# Altium PCB board.PcbDoc
Units mil, origin at the board's own origin, x right, y up, seen from the top; angles counter-clockwise.
Board outline 5505 x 4697 mil, 2 copper layers (Top Layer, Bottom Layer); 75 components, 88 nets, 344 pads, 69 vias.
Unrouted connection lines stored in the file: 1.
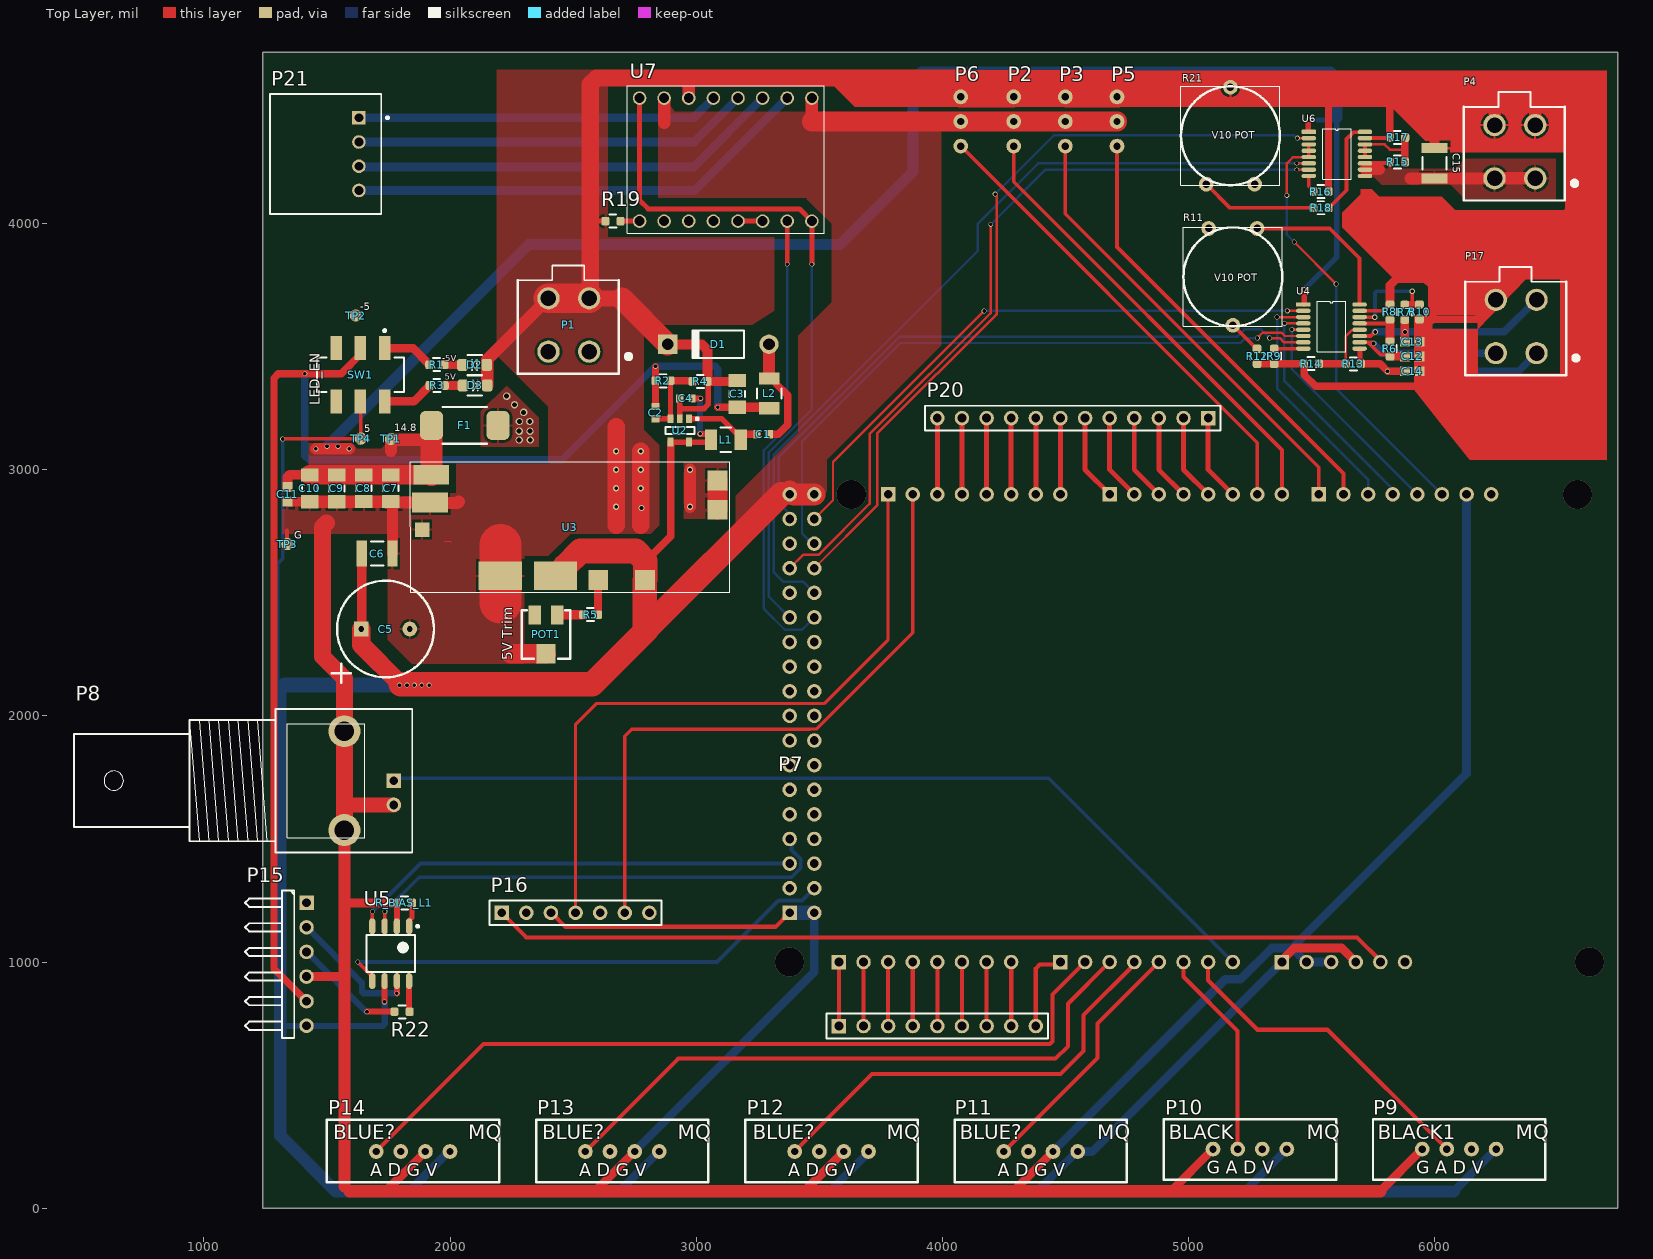
[diagram p0: Top Layer view]
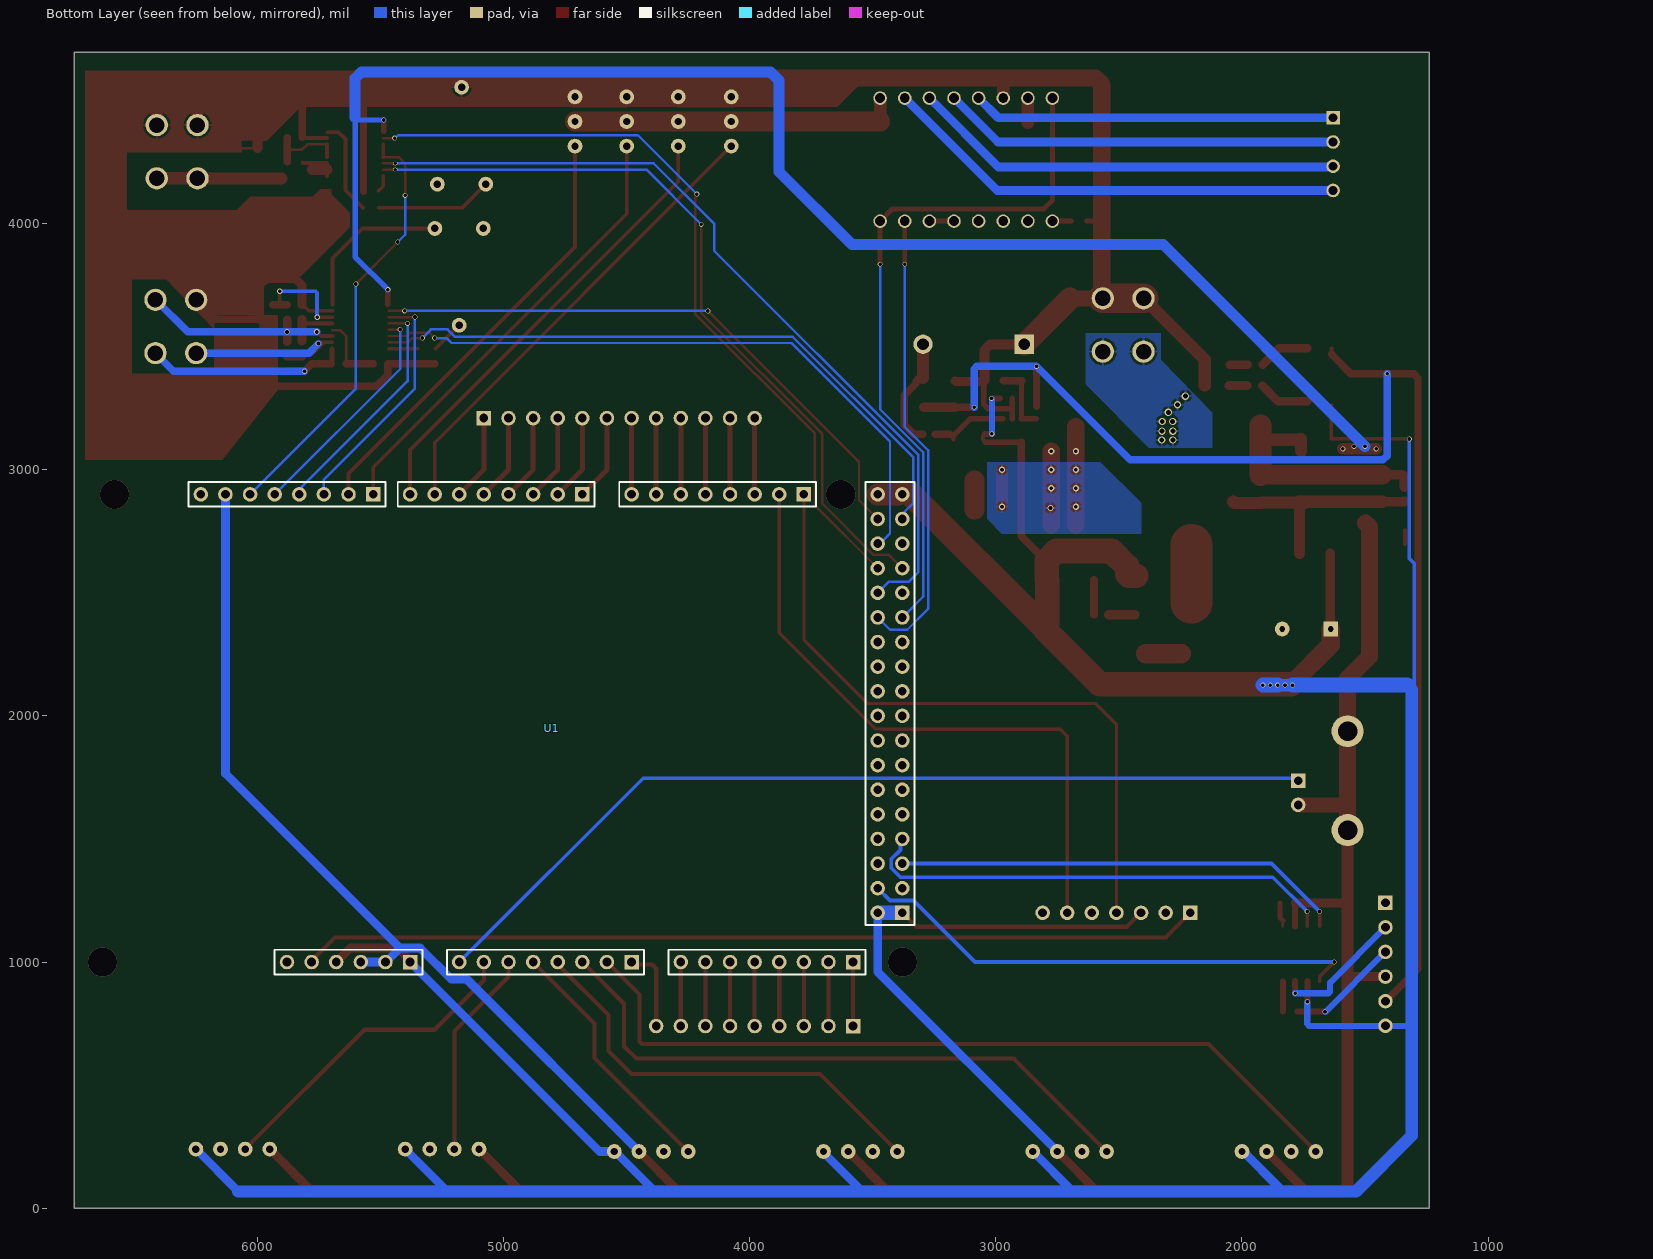
[diagram p1: Bottom Layer view, seen from below]

## Layer stack, top to bottom
Top Solder: solder mask 0.4, Solder Resist, Dk 3.5
Top Layer: signal copper 1.4
Dielectric 1: dielectric 12.6, FR-4, Dk 4.8
Bottom Layer: signal copper 1.4
Bottom Solder: solder mask 0.4, Solder Resist, Dk 3.5

## Board outline
1240,0 6745,0 6745,4697 1240,4697

## Design rules (kind name [scope] priority, off if disabled: settings)
Clearance Clearance_1 [(InComponent('U4') OR InComponent('U6'))] p1: gap=10 ignorepadtopadclearanceinfootprint=FALSE except(0: Arc-Hole Track-Hole SMDPad-Hole THPad-Hole Via-Hole Fill-Hole Poly-Hole Region-Hole Text-Hole; 8: SMDPad-SMDPad)
Clearance [All] p2: gap=10 ignorepadtopadclearanceinfootprint=FALSE except(0: Arc-Hole Track-Hole SMDPad-Hole THPad-Hole Via-Hole Fill-Hole Poly-Hole Region-Hole Text-Hole; 5: SMDPad-SMDPad)
PolygonConnect [All] p1: connectstyle=Relief reliefconductorwidth=10 reliefentries=4 polygonreliefangle="90 Angle" airgapwidth=10
RoomDefinition Sensors [InComponentClass('Sensors')] p1: confinementstyle=ConfineIn formatcopy=TRUE lockcomponents=FALSE outline 1230,-10 6730,-10 6730,2080 1230,2080
RoomDefinition PowerDevices [InComponentClass('PowerDevices')] p2: confinementstyle=ConfineIn formatcopy=TRUE lockcomponents=FALSE outline 1250,3320.94 6698.98,3320.94 6698.98,4670.51 1250,4670.51
RoomDefinition PowerRails [InComponentClass('PowerRails')] p3: confinementstyle=ConfineIn formatcopy=TRUE lockcomponents=FALSE outline 1250,2210 3375,2210 3375,3675 1250,3675
RoomDefinition Main [InComponentClass('Main')] p4: confinementstyle=ConfineIn formatcopy=TRUE lockcomponents=FALSE outline 3130,890 7240,890 7240,3080 3130,3080
RoutingVias [All] p1: holewidth=28 width=50 viastyle="Through Hole" minholewidth=28 minwidth=50 maxholewidth=28 maxwidth=50
SolderMaskExpansion [All] p1: expansion=4
Width "Schematic Width Constraint_5" [InNet('14V8_RAW')] p1: maxlimit=15 minlimit=15 preferedwidth=15
Width "Schematic Width Constraint_20" [InNet('NetC1_1')] p2: maxlimit=15 minlimit=15 preferedwidth=15
Width "Schematic Width Constraint_18" [InNet('N5V0_REG')] p3: maxlimit=15 minlimit=15 preferedwidth=15
Width "Schematic Width Constraint_17" [InNet('GND')] p4: maxlimit=1181.1 minlimit=15 preferedwidth=1141.73
Width "Schematic Width Constraint_16" [InNet('NetC2_1')] p5: maxlimit=15 minlimit=15 preferedwidth=15
Width "Schematic Width Constraint_15" [InNet('NetC1_2')] p6: maxlimit=15 minlimit=15 preferedwidth=15
Width "Schematic Width Constraint_14" [InNet('5V0_REG')] p7: maxlimit=15 minlimit=15 preferedwidth=15
Width "Schematic Width Constraint_13" [InNet('NetC13_2')] p8: maxlimit=15 minlimit=15 preferedwidth=15
Width "Schematic Width Constraint_10" [InNet('NetC12_2')] p9: maxlimit=15 minlimit=15 preferedwidth=15
Width "Schematic Width Constraint_3" [InNet('NetC14_2')] p10: maxlimit=15 minlimit=15 preferedwidth=15
Width [All] p11: maxlimit=10 minlimit=10 preferedwidth=10
30 further rules are at their usual default settings.

## Classes and differential pairs
component class PowerDevices: C12 C13 C14 C15 P2 P3 P4 P5 P6 P17 P21 R6 R7 R8 R9 R10 R11 R12 R13 R14 R15 R16 R17 R18 R19 R21 U4 U6 U7
net class PowerNet: 5V0_REG 14V8_IN 14V8_RAW GND NetC15_2
component class Sensors: P8 P9 P10 P11 P12 P13 P14 P15 P16 R22 R_BIAS_L1 U5
component class PowerRails: C1 C2 C3 C4 C5 C6 C7 C8 C9 C10 C11 D1 D2 D3 F1 L1 L2 P1 POT1 R1 R2 R3 R4 R5 SW1 TP1 TP2 TP4 U2 U3
component class Main: P7 P20 U1

## Components (designator, comment, footprint, x,y, rotation, side; value= is the part's Value field where it differs from the comment)
C1 "0603 470pF" CAPC1608X90X35LL10T15 3272,3144 r0 top
C2 "0603 100pF" CAPC1608X90X35LL10T15 2835,3232 r90 top
C3 "10uf" "10uF capacitor LPB" 3167,3308 r270 top
C4 "0603 4.7uF" CAPC1608X90X35LL10T15 2958,3290 r0 top
C5 "330uF" "330uF throught hole" 1738,2353 r180 top
C6 "22uF" "22uF Capacitor" 1703.66,2659.37 r180 top
C7 "10uf" "10uF capacitor LPB" 1760,2925 r90 top
C8 "10uf" "10uF capacitor LPB" 1650,2925 r90 top
C9 "10uf" "10uF capacitor LPB" 1540,2924.13 r90 top
C10 "10uf" "10uF capacitor LPB" 1430,2924.13 r90 top
C11 "0.01uF" "0.01uF capacitor" 1340,2900 r90 top
C12 "0.01uF" "0.01uF capacitor" 5909.45,3460.51 r180 top
C13 "0.01uF" "0.01uF capacitor" 5909.45,3520.51 r180 top
C14 "0.01uF" "0.01uF capacitor" 5909.45,3400.51 r180 top
C15 "22uF" "22uF Capacitor" 6000,4245 r270 top
D1 "Diode 1N4001" DO-41 3090,3510 r180 top
D2 "N5V0" LTST-C171TBKT 2149,3426 r180 top
D3 "5V0" LTST-C171TBKT 2052.6,3342.52 r0 top
F1 "4A" 0157010.DR 2060,3180 r180 top
L1 "10uH" BOUR-CM322522_V 3121,3122 r0 top
L2 "10uH" BOUR-CM322522_V 3297,3310 r270 top
P1 "Power_IN" "MOLEX 0039281043" 2565.35,3480 r180 top
P2 "Servo1" Header3 4290,4515 r270 top
P3 "Servo2" Header3 4500,4515 r270 top
P4 "Mini-Fit Jr 4 Pos" "MOLEX 0039281043" 6408.98,4183.98 r180 top
P5 "Servo3" Header3 4710,4515 r270 top
P6 "Servo4" Header3 4075,4515 r270 top
P7 "Header 9" HDR1X9 3580,740 r0 top
P8 "BNC_PMT" "BNC_RA CON" 1771.79,1736.79 r0 top
P9 "MQ series BLACK Sensor" "MQ series BLACK sensor" 5950,240 r0 top
P10 "MQ series BLACK Sensor" "MQ series BLACK sensor" 5100,240 r0 top
P11 "MQ series BLUE Sensor" "MQ series BLUE sensor" 4250,230 r0 top
P12 "MQ series BLUE Sensor" "MQ series BLUE sensor" 3400,230 r0 top
P13 "MQ series BLUE Sensor" "MQ series BLUE sensor" 2550,230 r0 top
P14 "MQ series BLUE Sensor" "MQ series BLUE sensor" 1700,230 r0 top
P15 "PMT" HDR1X6H 1417,1241 r270 top
P16 "BME680" HDR1X7 2210,1200 r0 top
P17 "Mini-Fit Jr 4 Pos" "MOLEX 0039281043" 6414.33,3473.98 r180 top
P20 "Header 12" HDR1X12 5080,3210 r180 top
P21 "S4B-XH-A(LF)(SN) (Pump Stepper)" JST-S4B-XH-A(LF)(SN)_V 1630,4282.36 r270 top
POT1 "RPot SM (10K)" POT4MM-2 2390,2331 r270 top
R1 "Res3" RESC1608X06N_0603 1946.57,3426.61 r0 top value=220
R2 "Res1" RESC1608X06N_0603 2865,3362 r180 top value=73.2K
R3 "Res3" RESC1608X06N_0603 1947.6,3342.52 r0 top value=220
R4 "Res1" RESC1608X06N_0603 3016,3359 r180 top value=24.9K
R5 "Res1" RESC1608X06N_0603 2571,2411 r0 top value=10K
R6 "Res1" RESC1608X06N_0603 5818.98,3491.02 r270 top value=8.2K
R7 "Res1" RESC1608X06N_0603 5878.98,3640 r270 top value=8.2K
R8 "Res1" RESC1608X06N_0603 5818.98,3641.02 r270 top value=1.3K
R9 "Res1" RESC1608X06N_0603 5348.98,3461.02 r270 top value=1K
R10 "Res1" RESC1608X06N_0603 5938.98,3641.02 r90 top value=1.3K
R11 "100" POT-LV10 5180.55,3783.66 r180 top
R12 "100" RESC1608X06N_0603 5278.98,3461.02 r270 top value=1K
R13 "Res1" RESC1608X06N_0603 5669.49,3430.51 r180 top value=8.2k
R14 "Res1" RESC1608X06N_0603 5499.51,3431 r0 top value=1.3K
R15 "Res1" RESC1608X06N_0603 5849.49,4250.51 r0 top value=10K
R16 "Res1" RESC1608X06N_0603 5538.46,4130.51 r0 top value=1K
R17 "Res1" RESC1608X06N_0603 5850,4350 r0 top value=10K
R18 "620" RESC1608X06N_0603 5539,4064 r0 top value=200
R19 "Res1" RESC1608X06N_0603 2662,4010 r0 top value=10K
R21 "500" POT-LV10 5170.55,4357.36 r0 top
R22 "200R" RESC1608X06N_0603 1805,798 r180 top
R_BIAS_L1 "1.2K" RESC1608X06N_0603 1815,1240 r180 top
SW1 "JS202011SCQN" CKCP-JS202011SCQN-6_V 1636,3386 r180 top
TP1 "5V0_REG" 50_MIL_PAD#1 1760,3125 r90 top
TP2 "N5V0_REG" 50_MIL_PAD#2 1447.09,3126.61 r90 top
TP3 "12V0_RAW" 50_MIL_PAD#1 1339,2698 r90 top
TP4 "12V0_RAW" 50_MIL_PAD#1 1637.09,3126.61 r90 top
U1 "Arduino Mega" "Arduino Mega" 5080,2000 r180 bottom
U2 "VR_N5V" LT-S5-5-SOT-23_L 2933.66,3159.84 r270 top
U3 "APXW012A0X3-SRZ_1" APXW012A0X3-SRZ 2488.66,2716.85 r0 top
U4 "(PMT LED Driver)" HTSSOP16#1 5467,3671.36 r0 top
U5 "AD8400" AD8400(SOIC8) 1759,1034 r270 top
U6 "(PMT LED Driver)" HTSSOP16#2 5488.98,4372.87 r0 top
U7 "Pololu A4988" "Stepper Driver Pololu A4988" 3520,3960 r90 top

## Footprints (in the part's own frame and the unit in brackets; to place one, negate y for a bottom-side part, rotate by r counter-clockwise, add the part's x,y. Pads: shape width x height; smd on the part's side, far side on the other; paste and mask are expansions set on the pad)
"0.01uF capacitor" [mm] "Chip Capacitor, 2-Leads, Body 1,60x0,80mm, IPC Medium Density"
  rect 1.05x1 smd: 1(-0.75,0) 2(0.75,0)
  body extent -0.88,-0.48 0.87,0.47, height 0.87
"10uF capacitor LPB" [mm] "Chip Capacitor, 2-Leads, Body 3,20x1,60mm, IPC Medium Density"
  rect 1.35x1.8 smd: 1(-1.375,0) 2(1.375,0)
  silkscreen extent -0.3,-0.8 0.3,0.8, body extent -1.7,-0.9 1.7,0.9, height 1.8
"22uF Capacitor" [mm] "Chip Capacitor, 2-Leads, Body 3,20x2,50mm, IPC Medium Density"
  rect 1.05x2.7 smd: 1(-1.575,0) 2(1.575,0)
  silkscreen extent -0.65,-1.25 0.65,1.25, body extent -1.75,-1.35 1.75,1.35, height 2.7
50_MIL_PAD#1 [mil]
  round 50 smd: 1(0,0)
50_MIL_PAD#2 [mil]
  round 50 smd: 1(500,-170)
"330uF throught hole" [mil]
  rect 60x60 hole 23.62: 1(98.43,0)
  round 60 hole 23.62: 2(-98.42,0)
  silkscreen extent -197,-197 219,219
0157010.DR [mm]
  rrect50% 2.4x3 smd: 1(3.43,0) 2(-3.43,0)
  silkscreen extent -2.29,-1.91 2.29,1.91, body extent -3.29,-1.84 3.29,1.84, height 3.9
AD8400(SOIC8) [mm] "SOIC, 8-Leads, Body 4.90x3.90mm, Pitch 1.27mm, IPC Low Density"
  oval 1.65x0.65 smd: 1(-2.825,1.905) 2(-2.825,0.635) 3(-2.825,-0.635) 4(-2.825,-1.905) 5(2.825,-1.905) 6(2.825,-0.635) 7(2.825,0.635) 8(2.825,1.905)
  silkscreen extent -2.95,-2.5 1.91,2.91, body extent -2,-2.5 2,2.5, height 1.75
APXW012A0X3-SRZ [mm]
  rect 2.03x2.03 smd: 1(15.192,6.09) 2(15.192,3.05) 3(7.702,-4.19) 4(2.872,-4.19)
  rect 3.68x2.03 smd: 2(-14.478,3.81) 7(-14.338,6.67)
  rect 4.45x2.92 smd: 2(-7.228,-3.75) 5(-1.508,-3.75)
  rect 1.52x1.52 smd: 6(-15.288,1.01)
  silkscreen extent -16.56,-5.46 16.46,8, body extent -16.63,-5.44 16.39,8.01, height 10
"Arduino Mega" [mm] "Arduino Mega 2560"
  rect 1.5x1.5 hole 0.9: 0(10.16,22.86) 8(-11.43,22.86) 21(33.02,22.86) 59(-7.62,-25.4) 67(15.24,-25.4) 75(38.1,-25.4) 79(43.18,-20.32)
  round 1.5 hole 0.9: 1(7.62,22.86) 2(5.08,22.86) 3(2.54,22.86) 4(0,22.86) 5(-2.54,22.86) 6(-5.08,22.86) 7(-7.62,22.86) 9(-13.97,22.86) 10(-16.51,22.86) 11(-19.05,22.86) 12(-21.59,22.86) 13(-24.13,22.86) 14(15.24,22.86) 15(17.78,22.86) 16(20.32,22.86) 17(22.86,22.86) 18(25.4,22.86) 19(27.94,22.86) 20(30.48,22.86) 22(40.64,20.32) 23(43.18,20.32) 24(40.64,17.78) 25(43.18,17.78) 26(40.64,15.24) 27(43.18,15.24) 28(40.64,12.7) 29(43.18,12.7) 30(40.64,10.16) 31(43.18,10.16) 32(40.64,7.62) 33(43.18,7.62) 34(40.64,5.08) 35(43.18,5.08) 36(40.64,2.54) 37(43.18,2.54) 38(40.64,0) 39(43.18,0) 40(40.64,-2.54) 41(43.18,-2.54) 42(40.64,-5.08) 43(43.18,-5.08) 44(40.64,-7.62) 45(43.18,-7.62) 46(40.64,-10.16) 47(43.18,-10.16) 48(40.64,-12.7) 49(43.18,-12.7) 50(40.64,-15.24) 51(43.18,-15.24) 52(40.64,-17.78) 53(43.18,-17.78) 54(-20.32,-25.4) 55(-17.78,-25.4) 56(-15.24,-25.4) 57(-12.7,-25.4) 58(-10.16,-25.4) 60(-2.54,-25.4) 61(0,-25.4) 62(2.54,-25.4) 63(5.08,-25.4) 64(7.62,-25.4) 65(10.16,-25.4) 66(12.7,-25.4) 68(20.32,-25.4) 69(22.86,-25.4) 70(25.4,-25.4) 71(27.94,-25.4) 72(30.48,-25.4) 73(33.02,-25.4) 74(35.56,-25.4) 76(-26.67,22.86) 77(-29.21,22.86) 78(40.64,-20.32) 80(43.18,22.86) 81(40.64,22.86)
  silkscreen extent -30.48,-26.67 44.45,24.13
"BNC_RA CON" [mm] "Connector; BNC Elbow"
  rect 1.5x1.5 hole 0.9: 1(0,0)
  round 3.3 hole 2: 2(-5.1,-5.1) 2(-5.1,5.1)
  round 1.5 hole 0.9: 2(0,-2.5)
  silkscreen extent -33,-7.4 1.9,7.4
BOUR-CM322522_V [mm] "Inductor, 2-Leads, Body 3.2x2.5mm, Pitch 3.05mm"
  rect 1.25x2.15 smd: 1(-1.525,0) 2(1.525,0)
  silkscreen extent -0.54,-1.25 0.54,1.25, body extent -1.77,-1.35 1.77,1.35, height 2.4
CAPC1608X90X35LL10T15 [mm] "Chip Capacitor, 2-Leads, Body 1.60x0.80mm, IPC High Density"
  rect 0.75x0.85 smd: 1(-0.625,0) 2(0.625,0)
  body extent -0.85,-0.45 0.85,0.45, height 0.9
CKCP-JS202011SCQN-6_V [mm] "SMD, 6-Leads, Body 9x3.6mm, Pitch 2.5mm"
  rect 1.2x2.5 smd: 1(-2.5,-2.75) 2(0,-2.75) 3(2.5,-2.75) 4(-2.5,2.75) 5(0,2.75) 6(2.5,2.75)
  silkscreen extent -4.5,-4.67 4.5,1.8, body extent -4.5,-1.8 4.5,1.8, height 5.5
DO-41 [mm] "Diode, Axial; Body 5.2 x 2.7 mm (LxDia. max), Lead Dia. 0.86 mm (max)"
  round 2 hole 1.2: 1(-5.23,0)
  rect 2x2 hole 1.2: 2(5.23,0)
  silkscreen extent -2.65,-1.4 2.75,1.4
HDR1X6H [mm] "Connector; Header; 6 Position; Right Angle"
  rect 1.5x1.5 hole 0.9: 1(0,0)
  round 1.5 hole 0.9: 2(2.54,0) 3(5.08,0) 4(7.62,0) 5(10.16,0) 6(12.7,0)
  silkscreen extent -1.27,-6.35 13.97,-1.27
HDR1X7 [mm] "Connector; Header; 7 Position"
  rect 1.5x1.5 hole 0.9: 1(0,0)
  round 1.5 hole 0.9: 2(2.54,0) 3(5.08,0) 4(7.62,0) 5(10.16,0) 6(12.7,0) 7(15.24,0)
  silkscreen extent -1.27,-1.27 16.51,1.27
HDR1X9 [mm] "Connector; Header; 9 Position"
  rect 1.5x1.5 hole 0.9: 1(0,0)
  round 1.5 hole 0.9: 2(2.54,0) 3(5.08,0) 4(7.62,0) 5(10.16,0) 6(12.7,0) 7(15.24,0) 8(17.78,0) 9(20.32,0)
  silkscreen extent -1.27,-1.27 21.59,1.27
HDR1X12 [mm] "Connector; Header; 12 Position"
  rect 1.5x1.5 hole 0.9: 1(0,0)
  round 1.5 hole 0.9: 2(2.54,0) 3(5.08,0) 4(7.62,0) 5(10.16,0) 6(12.7,0) 7(15.24,0) 8(17.78,0) 9(20.32,0) 10(22.86,0) 11(25.4,0) 12(27.94,0)
  silkscreen extent -1.27,-1.27 29.21,1.27
Header3 [mil]
  round 60 hole 30: 1(0,0) 2(100,0) 3(200,0)
HTSSOP16#1 [mm]
  rect 1.5x0.45 smd: 1(0,0)
  oval 1.5x0.45 smd: 2(0,-0.65) 3(0,-1.3) 4(0,-1.95) 5(0,-2.6) 6(0,-3.25) 7(0,-3.9) 8(0,-4.55) 9(5.8,-4.55) 10(5.8,-3.9) 11(5.8,-3.25) 12(5.8,-2.6) 13(5.8,-1.95) 14(5.8,-1.3) 15(5.8,-0.65) 16(5.8,0)
  silkscreen extent 1.43,-4.88 4.37,0.33
HTSSOP16#2 [mm]
  rrect50% 1.5x0.45 smd: 1(0,0)
  oval 1.5x0.45 smd: 2(0,-0.65) 3(0,-1.3) 4(0,-1.95) 5(0,-2.6) 6(0,-3.25) 7(0,-3.9) 8(0,-4.55) 9(5.8,-4.55) 10(5.8,-3.9) 11(5.8,-3.25) 12(5.8,-2.6) 13(5.8,-1.95) 14(5.8,-1.3) 15(5.8,-0.65) 16(5.8,0)
  silkscreen extent 1.43,-4.88 4.36,0.33
JST-S4B-XH-A(LF)(SN)_V [mm] "Header, 4-Leads, Body 12.4x11.5mm, Pitch 2.5mm"
  rect 1.4x1.4 hole 0.9: 1(-3.75,0)
  round 1.4 hole 0.9: 2(-1.25,0) 3(1.25,0) 4(3.75,0)
  silkscreen extent -6.2,-9.2 6.2,3.08, body extent -6.2,-9.2 6.2,2.3, height 6.15
LT-S5-5-SOT-23_L [mm] "SOT23, 5-Leads, Body 3x1.75mm, Pitch 0.95mm, IPC High Density"
  rect 0.9x0.6 smd: 1(-1.2,0.95) 2(-1.2,0) 3(-1.2,-0.95) 4(1.2,-0.95) 5(1.2,0.95)
  silkscreen extent -1.32,-1.5 0.35,1.93, body extent -0.87,-1.5 0.87,1.5, height 1.45
LTST-C171TBKT [mm]
  rrect50% 1.1x1.25 smd paste+0: 1(0,0) 2(2.5,0)
  silkscreen extent 0.46,-1.02 1.98,1.02
"MOLEX 0039281043" [mm] "Connector Header Through Hole 4 position 0.165\" (4.20mm)"
  round 2.3 hole 1.6: 1(0,0) 2(4.2,0) 3(0,-5.5) 4(4.2,-5.5)
  silkscreen extent -4.24,-8.89 7.37,2.29, body extent -3.07,-8.82 7.33,2.18, height 12.8
"MQ series BLACK sensor" [mil]
  round 60 hole 30: 1(0,0) 2(100,0) 3(200,0) 4(300,0)
  silkscreen extent -200,-125 500,122
"MQ series BLUE sensor" [mil]
  round 60 hole 30: 1(0,0) 2(100,0) 3(200,0) 4(300,0)
  silkscreen extent -200,-125 500,130
POT4MM-2 [mm] "Square Trimming Potentiometer"
  rect 2x1.3 smd: CCW(-2,-1.15) CW(-2,1.15)
  rect 2x2 smd: W(2,0)
  silkscreen extent -2.5,-2.5 2.5,2.5
POT-LV10 [mil] "square potentiometer"
  round 60 hole 30: CCW(-98.42,-196.85) CW(98.43,-196.85) W(0,196.85)
  silkscreen extent -201,-201 201,201
RESC1608X06N_0603 [mm] "Chip Resistor, 2-Leads, Body 1.60x0.80mm, IPC Medium Density"
  rrect50% 0.85x0.9 smd: 1(-0.775,0) 2(0.775,0)
  silkscreen extent -0.38,-0.66 0.34,0.69, body extent -0.85,-0.45 0.85,0.45, height 0.55
"Stepper Driver Pololu A4988" [mil]
  round 55 hole 40 unplated: 1(50,750) 2(50,650) 2(50,650) 3(50,550) 4(50,450) 5(50,350) 6(50,250) 7(50,150) 8(50,50) 8(550,750) 9(550,650) 10(550,550) 11(550,450) 12(550,350) 13(550,250) 14(550,150) 15(550,50)
  silkscreen extent 0,0 600,800
